# Allegro board RV1106G_COREDLOC_SL_V12_20220907LXF.brd (continued)
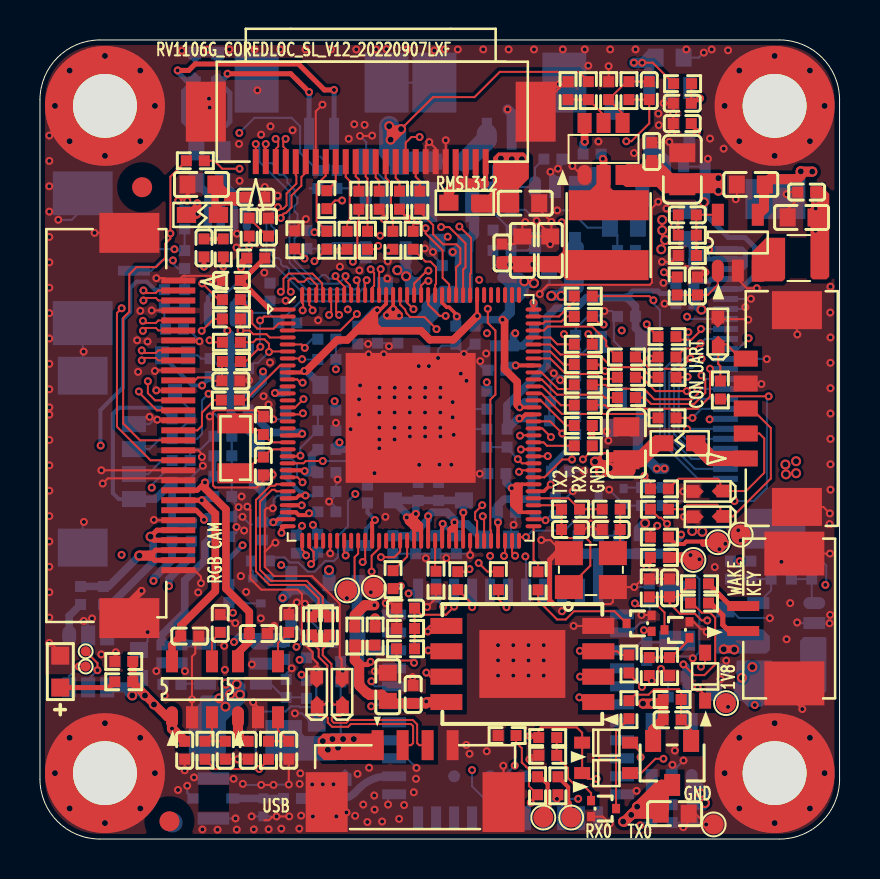
[diagram p0: board, top side]
## Routing (per net, layer and track width the routed paths; a pad name or vN(x,y) marks a point on that pad's centre or on a via; arc(x,y) is an arc through that point) (continued)
VBAT_DET_HI3861L: length 5.1
  TOP w0.102: v1(20.72,11.63) 20.31,11.23 19.07,11.23 C8206.1 R8214.1 R8215.2
  BOTTOM w0.102: U6000.14 v1(20.72,11.63)
VCC1V2_DVDD: length 13.2
  TOP w0.254: v1(8.26,17.85) 7.86,17.46 J4700.22
  TOP w0.381: U4701.5 9.91,9.32 10.47,9.89 C4711.1 10.47,11.37 9.3,12.54 9.3,16.51 8.26,17.55 v1(8.26,17.85)
  BOTTOM w0.254: v1(8.26,17.85) 8.38,17.85 C4701.1 C4700.1
VCC1V8_CODEC: length 4.5
  TOP w0.178: U1000.31 11.89,16.01 11.74,15.86 v1(11.67,15.86)
  BOTTOM w0.178: 11.62,15.91 v1(11.67,15.86)
  BOTTOM w0.381: C1012.1 11.86,15.86 v1(11.67,15.86) 11.14,15.86 C1013.1 11.13,15.87 11.13,17.36 10.85,17.64 FB1000.2
VCC1V8_DOVDD: length 11.1
  TOP w0.254: J4700.23 v1(8.09,16.96)
  TOP w0.381: v1(8.09,16.96) 8.77,16.28 8.77,12.4 7.04,10.68 C4716.1 6.6,9.72 U4702.5
  BOTTOM w0.254: C4702.1 8.61,17.06 8.29,17.06 8.19,16.96 v1(8.09,16.96)
VCC1V8_MICBIAS: length 22.8
  TOP w0.203: U1000.32 12.24,15.66 12.07,15.49 12.07,15.34 v1(12.08,15.33)
  L3_POW w0.203: v1(3.04,19.7) 3.08,19.74 8.34,19.74 9.9,18.18 9.9,17.98 11.01,16.87 11.01,15.67 11.35,15.33 v1(12.08,15.33)
  BOTTOM w0.203: v1(3.04,19.7) 3.02,19.71 3.02,21.47 4.15,22.6 4.15,26 4.51,26.36 4.51,27.58 4.84,27.9 5.34,27.9 5.74,27.5 R7002.1
VCC1V8_STB: length 57.4
  TOP w0.102: v1(32.19,8.74) 32.72,8.21 33.24,8.21 33.78,8.74 33.78,11.08 33.53,11.33 33.11,11.33 32.63,11.81 R8208.1
  L4_SIG w0.381: v1(6.45,12.66) 8.29,10.83 8.29,6.66 8.92,6.02 11.93,6.02 12.2,5.76 16.6,5.76 17.08,6.23 31.69,6.23 32.19,6.73 v1(32.19,8.74)
  L5_GND w0.381: v1(32.19,8.74) 32.19,8.43 32.46,8.16 33.34,8.16 33.61,8.43 33.61,9.81 33.93,10.14 33.93,12.47 32.97,13.44 32.28,13.44 30.27,15.45 v2(30.27,15.81)
  BOTTOM w0.381: U2601.5 32.33,6.03 C2608.2 C2607.1 32.33,8.6 v1(32.19,8.74) ; v1(6.45,12.66) 6.45,13.02 7.57,14.14 R8201.2
  BOTTOM w0.508: v2(30.27,15.81) 29.97,15.51 R6000.1
VCC2V8_AVDD: length 11.8
  TOP w0.254: v1(8.2,15.98) 8.2,16.07 7.81,16.46 J4700.24
  BOTTOM w0.381: 7.17,9.78 C4714.1 C4713.1 6.1,10.22 7.24,11.36 7.24,12.94 8.26,13.96 8.26,14.8 C4704.1 8.59,15.55 8.69,15.65 C4703.1 8.35,16.13 v1(8.2,15.98) ; 7.17,9.78 7.24,9.85 ; 7.17,9.78 U4703.5
VCC3V3_STB: length 86.1
  L3_POW w0.102: v1(35.76,6.71) 35.76,6.42 35.06,5.72 33.47,5.72 32.75,5 32.75,3.59 31.05,1.89 31.05,1.04 30.63,0.62 30.1,0.62 v1(30.03,0.69) ; v1(35,13.91) 35.64,13.28 v2(35.64,8.61)
  L3_POW w0.381: v1(4.08,14.23) 5.39,12.92 v1(5.68,12.92)
  L4_SIG w0.381: v2(14.46,13.46) 14.22,13.23 11.57,13.23 11.1,13.69 6.45,13.69 v1(5.68,12.92) 5.68,12.01 6.56,11.13 6.56,8.14 6.88,7.81 6.88,6.52 7.98,5.42 11.78,5.42 13.23,3.96 15.54,3.96 17.25,5.66 31.96,5.66 33.45,7.15 34.24,7.15 35.32,8.23 35.32,8.27 ; 35.32,8.27 35.64,8.59 v2(35.64,8.61) ; 35.32,8.27 v2(35.12,8.07) ; v1(11.16,23.4) 10.99,23.58 8.13,23.58 7.07,22.51 7.07,21.02 4.08,18.03 v1(4.08,14.23)
  BOTTOM w0.102: R2602.1 v1(35,13.91) C2600.1 ; R2609.1 30.22,0.82 30.08,0.69 v1(30.03,0.69)
  BOTTOM w0.381: v1(11.16,23.4) 11.16,22.89 10.64,22.37 R1103.2 ; R8216.2 6.6,13.96 5.68,13.04 v1(5.68,12.92)
  BOTTOM w0.508: R6002.1 v2(14.46,13.46)
VCC3V3_WL: length 6.8
  BOTTOM w0.381: 15.94,9.4 C6003.1 C6002.1 ; 15.94,9.4 15.94,9.96 C6001.1 15.88,11.39 R6001.2 R6002.2 ; 15.94,9.4 15.99,9.44 U6000.9
VCC3V8_SYS: length 50.3
  TOP w0.102: 26.2,29.44 26.2,30.78 26.11,30.87 v1(26.1,30.87) ; R2507.1 C2507.1 30.48,35.82 29.58,34.93 v1(29.33,34.93) ; R2607.1 30.85,6.99 v2(30.64,6.78) ; 34.72,9.5 34.69,9.53 34.23,9.53 v2(34.21,9.5)
  TOP w0.381: v2(34.21,9.5) 34.72,9.5 v2(34.73,9.49)
  TOP w0.508: v2(30.17,6.78) v2(30.64,6.78) 30.97,6.78 R2607.1 C2604.1 30.67,5.47 Q2600.2
  L3_POW w0.381: v1(12.14,12.07) 12.14,11.69 13.86,9.97 14.6,9.23 14.6,7.37 16.21,5.77 23.14,5.77 24.32,4.59 27.97,4.59 v2(30.17,6.78)
  L4_SIG w0.102: v2(32.63,15.42) 32.67,15.38 v2(33.13,15.38) ; v1(29.33,34.93) 29.2,34.93 28.82,34.55 28.82,30.98 28.72,30.87 v1(26.1,30.87)
  BOTTOM w0.102: v1(39.29,12.72) 39.33,12.77 39.33,13.7 39.12,13.91 R2601.1 ; v2(30.64,6.78) v2(30.17,6.78)
  BOTTOM w0.508: 33.18,1.72 v2(33.26,1.8) ; 33.18,1.72 33.18,2.16 ; 33.18,1.72 C2606.2 32.64,2.27 ; 33.18,2.16 33.18,2.38 32.64,2.92 ; 33.18,2.16 v2(33.05,2.29) 33.03,2.27 32.64,2.27 ; v1(12.14,12.07) 12.56,12.49 13.45,12.49 14.46,11.48 R6001.1 ; 32.64,2.27 32.64,2.92 ; 32.64,2.92 U2601.1
  vias: v2(23.52,28.75) v2(24.68,28.76)
VCC5V0_PA: length 6.7
  TOP w0.381: 10.04,32.13 9.81,31.9 9.17,31.9 9.09,31.99
  TOP w0.508: C7006.1 9.62,32.13 ; v2(9.07,32) 9.09,31.99 9.57,31.99 ; 9.62,32.13 9.34,32.13 ; 9.62,32.13 9.62,31.98 ; 9.34,32.13 9.34,32.21 C7003.1 ; 9.34,32.13 8.83,32.64 8.83,31.34 FB7000.2
  BOTTOM w0.381: U7000.6 9.07,31.13 v2(9.07,32)
VCC5V0_USB: length 7.5
  L3_POW w0.102: v1(12.99,8.97) 12.99,8.82 13.47,8.33 13.47,6.41 14.63,5.25 v2(14.63,5)
  BOTTOM w0.102: v1(12.99,8.97) 13.09,9.07 R2611.2 ; 15.04,5.84 15.04,5.14 ; 15.14,4.34 v2(14.91,4.57) 14.94,4.57 15.09,4.42 15.11,4.45 15.65,4.45 15.67,4.42 15.6,4.34 ED2505.1 15.14,4.34
  vias: v2(14.15,4.9) v2(14.4,4.47) v2(15.16,5) v2(15.7,5)
VCC_1V8: length 126.2
  TOP w0.178: v1(11.76,22.33) 11.78,22.31 U1000.13 ; v1(20.85,26.16) 20.85,26.24 20.47,26.62 20.35,26.62 20.12,26.85 U1000.108 ; U1000.70 25.21,17.41 v1(25.55,17.75)
  TOP w0.203: v1(20.14,15.78) 20.12,15.75 U1000.53
  TOP w0.381: R1304.2 10.06,28.8 v1(10.06,28.6)
  TOP w0.508: R1201.1 v1(16.76,11.05)
  L3_POW w0.381: v1(29.1,25.46) 29.1,25.21 29.26,25.06 30.4,25.06 32.06,26.71 32.88,26.71 v2(33.09,26.5) ; v1(22.36,25.32) 21.95,25.32 21.11,26.16 v1(20.85,26.16)
  L3_POW w0.508: v2(33.09,26.5) 33.09,26.59 32.5,27.18 32.5,31.17 v2(33.21,31.88)
  L4_SIG w0.381: v1(26.21,25.27) 26.7,24.79 28.43,24.79 v1(29.1,25.46) ; v1(10.06,28.6) 9.76,28.3 9.76,26.67 ; 14.8,23.26 v1(14.8,23.51) ; 14.8,23.26 14.8,21.98 v1(14.74,21.92) 14.2,21.38 14.2,20.64 v1(14.98,19.86) ; 14.8,23.26 15.18,23.64 ; v1(14.8,23.51) 14.92,23.64 15.18,23.64 ; v1(14.8,23.51) 14.8,24.01 13.56,25.25 12.24,25.25 ; 12.24,25.25 12.24,22.81 v1(11.76,22.33) ; 12.24,25.25 12.24,25.8 11.36,26.67 9.76,26.67 ; v1(20.85,26.16) 20.85,25.12 20.4,24.66 19.14,24.66 18.12,23.64 15.18,23.64 ; v1(16.76,11.05) 17.58,11.05 17.98,11.45 17.98,12.03 17.51,12.5 17.51,13.15 18.98,14.62 ; 25.55,16.86 27.73,14.68 33.42,14.68 34.09,15.35 34.09,25.51 v2(33.09,26.5) ; 25.55,16.86 25.34,17.07 24.88,17.07 ; 25.55,16.86 v1(25.55,17.75) 24.88,17.07 ; 24.88,17.07 23.31,17.07 22.72,17.66 18.53,17.66 17.8,16.93 17.8,15.8 18.98,14.62 ; 18.98,14.62 v1(20.14,15.78) ; 9.76,26.67 9.37,26.29 v1(9.37,25.45) ; v1(22.36,25.32) v1(23.77,25.32)
  L5_GND w0.381: v1(26.21,25.27) 23.82,25.27 v1(23.77,25.32)
  BOTTOM w0.102: v1(14.8,23.51) R1305.1 R1306.1 ; R1206.1 14.8,21.86 v1(14.74,21.92)
  BOTTOM w0.203: C1022.1 20.74,15.18 v1(20.14,15.78) 20.14,15.51 C1021.1
  BOTTOM w0.254: 32.71,26.69 C5003.1 33.43,27.52 34.27,27.52 J5000.20 35.07,27.53 35.31,27.78 35.31,27.78 35.75,28.22 35.75,29.63 35.27,30.11 34.44,30.11 33.27,31.28 33.27,31.82 v2(33.21,31.88) ; v1(25.55,17.75) 25.58,17.78 C1103.1 25.58,18.7 26.8,19.91 R2010.1
  BOTTOM w0.381: U2000.5 30.48,34.47 C2001.1 ; C1300.1 20.85,25.72 v1(20.85,26.16) ; C1102.1 12.16,22.33 v1(11.76,22.33) ; FB1100.2 24.71,25.25 24.16,24.69 C1201.1 23.69,25.24 v1(23.77,25.32) ; v1(14.98,19.86) 14.8,19.67 R1001.2 15.69,19.51 R1205.2 ; v1(9.37,25.45) 9.37,25.43 9.53,25.27 R1303.1 R1302.1 9.53,21.34 10.85,20.02 FB1000.1
  BOTTOM w0.508: C5003.1 32.8,26.8 v2(33.09,26.5) ; U2000.5 31.3,33.97 C2001.1 31.3,33.27 31.88,32.7 C2002.1 33.27,31.94 v2(33.21,31.88)
VCC_3V3: length 65.9
  TOP w0.178: v1(13.28,17.19) 12.95,17.19 12.81,17.06 U1000.28 ; v1(22.91,15.85) 22.91,15.66 22.92,15.65 U1000.61
  TOP w0.203: v1(23.98,21.05) 24.09,21.05 24.29,21.26 U1000.81 ; U1000.88 v1(23.8,23.71)
  TOP w0.508: v1(16.73,11.7) 16.25,11.7 15.75,11.2 R1204.1
  L3_POW w0.381: v1(23.98,21.05) 23.77,21.05 23.39,21.43 23.39,23.3 v1(23.8,23.71)
  L4_SIG w0.381: v1(13.28,17.19) 15.01,18.92 17.69,18.92 18.38,19.62 21.35,19.62 22.64,20.91 23.84,20.91 v1(23.98,21.05)
  L5_GND w0.381: v1(16.73,11.7) 16.07,11.7 15.55,11.18 14.77,11.18 13.89,12.05 13.89,12.7 12.55,14.04 12.55,16.81 12.93,17.19 v1(13.28,17.19)
  BOTTOM w0.102: 24.45,20.58 24.45,17.4 24.59,17.27 ; 22.92,16.71 22.92,16.4 22.88,16.35 ; C1110.1 24.11,20.93 v1(23.98,21.05) 23.45,20.52 R2014.1
  BOTTOM w0.178: C1003.1 13.7,17.19 v1(13.28,17.19)
  BOTTOM w0.203: v1(13.28,17.19) 13.1,17.37 13,17.37 12.32,18.06 R1010.1
  BOTTOM w0.254: 29.34,27.12 29.65,27.43 30.92,27.43 31.04,27.31 32.51,27.31 32.71,27.5 C5002.1 32.81,27.92 33.48,27.92 33.59,28.03 J5000.21
  BOTTOM w0.381: v1(22.91,15.85) 22.91,16.32 22.88,16.35 C1109.1 22.88,16.67 23.22,17.01 24.69,17.01 R1102.1 24.59,17.27 C1110.1 24.46,21.05 v1(23.98,21.05) 23.91,21.05 R2014.1 23.36,20.53 23.36,21.71 25.37,23.72 25.37,26.14 25.81,26.57 26.81,26.57 27.34,27.1 C2017.1 29.32,27.1 29.34,27.12 29.79,26.67 C2016.1 29.79,25.58 30.06,25.31 U2003.5 ; v1(23.8,23.71) 23.55,23.71 C1301.1
VCC_DDR: length 22.8
  TOP w0.102: v1(31.72,30.75) 31.72,30.45 R2005.1 C2009.1
  TOP w0.178: U1000.56 21.17,16.33 v1(21.18,16.34)
  TOP w0.203: 18.62,15.61 18.89,15.88 18.92,15.88 ; 18.62,15.61 18.42,15.8 ; 18.62,15.61 18.72,15.51 ; 18.96,15.49 18.74,15.49 18.72,15.51 ; 18.96,15.49 v1(18.35,16.1) 18.35,15.88 18.42,15.8 ; 18.96,15.49 19.07,15.49 ; U1000.49 18.72,15.51 ; 18.72,15.51 18.95,15.74 19.07,15.74 ; 18.42,15.8 18.59,15.8 18.79,16 18.8,16 ; 18.8,16 18.92,15.88 ; 18.8,16 v1(18.8,16.28) ; 18.92,15.88 19.07,15.74 ; 19.07,15.74 19.07,15.49 ; 19.07,15.49 U1000.50
  TOP w0.381: v1(18.8,16.28) 18.62,16.1 v1(18.35,16.1)
  L4_SIG w0.102: v1(18.8,16.28) 18.62,16.1 v1(18.35,16.1) ; v1(31.72,30.75) 31.72,30.58 31.87,30.43 38.78,30.43 v1(38.8,30.45)
  BOTTOM w0.178: 21.2,16.95 C1008.1
  BOTTOM w0.203: 17.66,16.95 C1009.1
  BOTTOM w0.381: v1(21.18,16.34) 21.18,16.92 21.2,16.95 C1010.1 C1011.1 ; v1(18.35,16.1) 18.35,16.26 17.66,16.95 C1011.1 ; C1011.1 18.8,16.83 v1(18.8,16.28)
  vias: v1(38.8,31.96) v1(38.81,31.57)
VCC_SYS_S0: length 83.3
  TOP w0.102: 29.28,0.92 29.22,0.92 v2(29.17,0.88) ; 36.53,33.03 36.59,33.1 37.55,33.1 37.68,33.23 37.87,33.23 v2(38.06,33.42) ; v1(30.12,38.86) 30.65,38.86 R2001.1 ; v2(25.58,27.19) v2(26.08,27.19) ; v1(31.22,28.37) 31.45,28.14 R2006.1 ; R2606.2 4.83,7.87 U4702.1 ; 30.22,1.27 v2(29.87,1.62)
  TOP w0.381: R2605.2 R2606.2 4.64,7.79 v2(5.25,7.18) v2(5.7,6.73) 6.34,6.1 U4702.1 ; 7.87,31.68 v1(7.87,31.29) 7.82,31.24 7.44,31.24 ; 7.87,31.68 7.44,31.24 ; 7.87,31.68 v1(7.87,31.83) ; 7.44,31.24 FB7000.1
  TOP w0.508: 31.21,2.3 31.21,1.43 C2605.1 ; 31.21,2.3 Q2600.3 31.62,2.71 31.09,2.71 ; 31.21,2.3 31.05,2.14 ; 29.64,1.27 29.87,1.51 v2(29.87,1.62) 29.91,1.62 ; 29.64,1.27 C2605.1 ; 29.64,1.27 v2(29.58,1.21) 29.24,0.88 v2(29.17,0.88) ; 30.4,1.62 30.4,1.67 31.09,2.36 ; 30.4,1.62 29.91,1.62 ; 30.4,1.62 30.7,1.62 ; U2002.4 36.22,31.56 36.22,32.73 C2010.1 36.53,33.03 37.89,33.03 38.06,33.21 v2(38.06,33.42) 38.07,33.41 v2(38.64,33.41) ; 31.09,2.36 31.09,2.01 30.7,1.62 ; 31.09,2.36 31.09,2.71 ; U4701.1 9.91,5.29 9.95,5.24 v1(9.95,4.91) 10.4,4.91 C4708.2 ; 31.09,2.71 31.05,2.67 ; 30.7,1.62 C2605.1 ; C2605.1 31.05,2.14 ; 31.05,2.67 31.05,2.14 ; 31.05,2.67 30.96,2.67 29.91,1.62 ; U4702.1 v1(6.6,5.53) C4715.1
  BOTTOM w0.102: v2(23.06,34.06) 22.66,33.67 R2003.1 ; v2(29.87,1.62) 29.87,1.58 29.58,1.28 v2(29.58,1.21) ; R2011.1 13.01,34.35 13.01,35.68 12.59,36.1 10.73,36.1 v1(9.97,35.35) ; 18.14,28.48 18.35,28.69 18.35,29.31 U2004.4 ; v1(33.47,29.51) 33.47,29.06 33.24,28.83 C5001.1 ; 18.35,28.37 18.25,28.48 ; 25.71,27.22 26.86,28.37 C2005.1 ; 29.91,19.69 30.04,19.56 30.13,19.56 31.14,18.54
  BOTTOM w0.254: J5000.22 35.11,28.53 35.29,28.71 35.29,29.02 ; 35.29,29.02 35.28,29.03 J5000.23 32.91,29.03 ; 35.29,29.02 35.29,29.36 35.11,29.54 34.29,29.54 J5000.24 33.49,29.53 v1(33.47,29.51)
  BOTTOM w0.381: v1(9.71,9.86) 9.97,10.12 11.92,10.12 12.15,9.9 C4712.1 12.12,9.78 ; 12.12,9.78 12.25,9.78 12.32,9.85 ; 12.12,9.78 U4703.1 ; v1(33.47,29.51) 33.39,29.51 C5001.1 ; v2(23.06,34.06) 23.09,34.03 v2(23.6,34.03) v2(24.11,34.03)
  BOTTOM w0.508: v2(26.08,27.19) 26.06,27.22 25.63,27.22 25.6,27.19 v2(25.58,27.19) ; v2(26.08,27.19) 26.08,27.25 26.48,27.64 26.48,28.06 ; v2(26.08,27.19) 26.54,27.19 26.94,27.59 26.94,28.37 ; v2(4.62,7.19) 4.48,7.32 4.48,7.59 ; U2003.1 30.06,20.73 C2015.1 29.91,19.49 v1(30.86,18.54) v1(31.24,18.54) ; U2000.1 30.48,38.8 ; 30.48,38.8 30.48,39.19 ; 30.48,38.8 C2000.1 30.56,39.12 30.48,39.19 ; C2005.1 26.94,28.37 ; C2005.1 26.76,28.55 U2001.4 ; C2005.1 26.48,28.06 ; 26.94,28.37 26.94,29.66 U2001.4 ; U2001.4 26.48,29.55 26.48,28.06 ; C2018.1 18.66,27.83 v2(18.32,28.17) 18.32,28.34 18.35,28.37 18.29,28.43 ; 18.29,28.43 18.25,28.48 v2(17.88,28.48) ; 18.29,28.43 U2004.4 ; 30.48,39.19 30.15,38.86 v1(30.12,38.86) v1(29.71,38.86) ; 4.95,7.48 v2(5.25,7.18) ; 4.95,7.48 C4706.1 4.48,7.59 ; 4.95,7.48 4.84,7.59 4.48,7.59 ; 4.48,7.59 U4700.4 ; C5001.1 32.71,29.71 C5000.1
VCC_SYSIN: length 56.2
  TOP w0.102: 18.04,35.51 17.99,35.47 17.98,35.47 17.54,35.03 ; R2508.1 26.94,38.4 23,38.4 21.74,37.14 19.66,37.14 v2(18.06,35.54) ; R8215.1 17.84,9.09 18,8.94 18.6,8.94 v1(18.71,8.82) ; 31.87,32.7 30.67,33.9 ; 28.03,18.41 27.77,18.67 v2(27.77,18.89) ; C2502.1 28.37,18.99 v2(28.25,19.11) ; 33.93,33.08 33.56,32.7 32.5,32.7
  TOP w0.254: v2(33.94,32.46) 31.22,32.46 30.78,32.9
  TOP w0.381: 17.54,35.62 17.62,35.54 v2(18.06,35.54) 18.04,35.51 18.04,35.45 17.7,35.12 17.64,35.12 17.54,35.02 ; 17.54,35.62 v2(17.47,35.69) ; 17.54,35.62 17.54,35.02 ; 17.54,35.02 v2(17.54,35.01)
  TOP w0.508: U7001.3 29.14,33.14 29.39,32.9 31.19,32.9 ; U7001.3 29.88,33.24 ; U7001.3 29.42,33.52 30.16,33.52 ; 33.94,32.76 v2(33.94,33.08) 33.93,33.08 32.87,33.08 ; 33.94,32.76 31.33,32.76 ; 33.94,32.76 v2(33.94,32.46) ; 31.33,32.76 31.38,32.7 31.9,32.7 ; 31.33,32.76 31.19,32.9 ; 31.01,33.08 31.19,32.9 ; 31.01,33.08 32.87,33.08 ; 31.01,33.08 30.84,33.24 ; 29.88,33.24 30.84,33.24 ; 29.88,33.24 30.16,33.52 ; 30.84,33.24 30.67,33.41 30.67,33.9 ; 30.67,33.9 30.7,33.9 31.9,32.7 ; 30.67,33.9 C2506.1 30.16,33.52 ; 32.87,33.08 32.5,32.7 C2505.1 31.9,32.7 ; 28.73,18.38 28.91,18.56 ; 28.73,18.38 29.48,18.38 29.53,18.44 29.53,18.79 C2502.1 ; 28.73,18.38 v2(28.03,18.38) 28.03,18.63 v2(27.77,18.89) 28.02,18.89 v2(28.25,19.11) 29.21,19.11 C2502.1 ; 28.91,18.56 C2502.1 ; 28.91,18.56 v2(28.51,18.56) 28.42,18.65 28.09,18.65
  TOP w0.762: C2502.1 30.03,18.99 30.85,19.81 FB2501.1
  BOTTOM w0.102: v2(18.06,35.54) 17.62,35.54 v2(17.47,35.69) ; v2(33.94,33.08) v2(33.94,32.46)
  BOTTOM w0.508: C2520.1 18.06,34 v2(18.06,35.54) ; v2(17.54,35.01) 17.54,34.34
  BOTTOM w1.016: FB2510.1 C2520.1 17.47,34.41 v2(17.47,35.69)
  vias: v2(8.97,7.04) v2(9.29,7.78) v2(9.28,6.63) v2(9.51,7.25) v2(9.84,7.75) v2(10,7.23) v2(37.29,18.75) v2(37.32,18.26) v2(37.83,18.91) v2(37.83,18.31)
VCCIO_FLASH: length 32.5
  TOP w0.102: 19.38,6.86 19.35,6.86 v1(19.32,6.89) ; R1202.1 29.46,8.26 v1(30.12,7.61)
  TOP w0.203: U1000.43 16.62,15.83 v1(16.76,15.97)
  TOP w0.254: 15.97,8.74 16.4,8.74 v1(16.54,8.87)
  TOP w0.508: U1201.8 19.38,6.86 19.31,6.79 C1203.1 17.53,6.79 C1202.1 17.09,7.22 16.48,7.22 16.38,7.32 16.34,7.32 16,7.66 16,7.7 15.97,7.73 15.97,8.74 15.75,8.96 R1204.2 R1201.2
  L3_POW w0.102: v1(30.12,7.61) 30.06,7.61 28.83,6.38 19.82,6.38 v1(19.32,6.89)
  L4_SIG w0.254: v1(16.54,8.87) 15.86,9.55 15.86,12.87 15.69,13.05 15.69,14.9 v1(16.76,15.97)
  BOTTOM w0.203: R1203.1 16.3,15.51 v1(16.76,15.97) 16.38,16.34 C1200.1
VCCIO_WL: length 62.2
  L3_POW w0.102: v1(34.42,6.61) 34.42,8.19 33.78,8.84 33.78,9.68 33.79,9.69 33.79,12.77 33.33,13.23 33.33,13.98 33.31,14.01 33.31,14.13 33.12,14.32 33,14.32 v1(32.07,15.24)
  L4_SIG w0.254: v1(8.11,22.7) 9.62,22.7 9.88,22.45 9.88,20.76 11.05,19.58 ; 11.05,19.58 10.92,19.46 10.92,15.49 v1(10.13,14.71) ; 11.05,19.58 13.39,19.58 13.49,19.48 14.72,19.48 14.82,19.38 15.38,19.38 16.5,20.5 16.5,22.83 16.75,23.08 20.48,23.08 21.37,22.2 24.45,22.2 24.7,21.94 24.7,19.1 25.15,18.64 26.28,18.64 29.69,15.24 v1(32.07,15.24)
  BOTTOM w0.102: 31.17,14.28 31.19,14.3 31.28,14.3
  BOTTOM w0.203: R8217.1 8.51,23.1 v1(8.11,22.7) 7.62,22.7 Q8200.1
  BOTTOM w0.254: v1(10.13,14.71) 9.45,14.02 R8221.1 ; v1(32.07,15.24) 32.07,15.1 31.26,14.28 31.17,14.28
  BOTTOM w0.508: C6004.1 27.92,14.26 U6000.22 ; C6004.1 C6005.1 ; C6004.1 C8207.1 R6000.2 31.17,14.28
VDD_0V9: length 60.2
  TOP w0.102: v2(31.12,30.99) 31.12,30.48 v2(31.13,30.47) 31.13,30.13 v2(31.27,29.98)
  TOP w0.178: 20.55,15.59 20.47,15.51 ; 20.55,15.59 20.55,15.58 20.82,15.58 ; 20.55,15.59 20.74,15.78 v1(20.74,15.85) 20.82,15.77 20.82,15.58 ; 20.47,15.51 U1000.54 ; 20.47,15.51 20.54,15.43 20.82,15.43 ; 23.92,17.76 24.13,17.76 ; 23.92,17.76 23.88,17.72 23.88,16.55 ; 23.92,17.76 23.8,17.76 23.77,17.73 ; 24.13,17.76 24.06,17.69 ; 24.13,17.76 U1000.71 ; U1000.116 17.32,26.79 17,26.48 v1(16.87,26.48) ; 24.07,16.36 U1000.67 ; 24.07,16.36 23.97,16.36 23.88,16.44 ; 24.07,16.36 24.06,16.37 ; 23.77,16.55 23.88,16.44 ; 23.77,16.55 23.69,16.63 ; 23.77,16.55 23.77,17.73 ; 23.88,16.44 23.88,16.55 ; 23.69,16.63 23.69,17.65 ; 23.69,16.63 23.6,16.72 v1(23.6,17.56) 23.69,17.65 ; 23.69,17.65 23.77,17.73 ; 23.88,16.55 23.98,16.45 ; U1000.103 21.87,26.18 v1(21.87,26.18) ; U1000.82 24,21.61 v1(24,21.61) ; 20.82,15.58 20.82,15.43 ; U1000.55 20.82,15.43 ; 24.06,17.69 23.98,17.61 23.98,16.45 ; 24.06,17.69 24.06,16.37 ; 24.06,16.37 23.98,16.45
  TOP w0.203: v1(13.23,23.43) 13.16,23.36 U1000.10 ; U1000.51 v1(19.42,16.16)
  TOP w0.381: 16.44,25.44 16.44,26.05 ; 16.44,25.44 17,25.44 ; 16.44,25.44 15.83,25.44 ; 16.44,26.05 16.73,26.34 ; 16.44,26.05 15.83,25.44 ; 17,25.44 19.06,25.44 19.51,24.99 20.68,24.99 v1(21.87,26.18) ; 17,25.44 16.73,25.71 16.73,26.34 ; v1(13.23,23.43) 13.32,23.43 14.87,24.98 15.37,24.98 15.83,25.44 ; 16.73,26.34 v1(16.87,26.48) ; v1(24,21.61) 23.88,21.73 23.88,22.89 23.24,23.52 23.24,25.89 v1(23.14,25.99)
  L4_SIG w0.102: v2(31.08,29.52) 31.08,29.56 31.17,29.65 31.17,29.88 v2(31.27,29.98)
  BOTTOM w0.102: C1015.1 22.16,15.04 21.5,15.7 ; R2004.1 C2006.1 22.66,28.85 23.19,28.32 23.19,28.18 23.12,28.11
  BOTTOM w0.178: C1016.1 23.27,18.2 23.52,17.59 v1(23.6,17.56)
  BOTTOM w0.305: C1019.1 15.93,25.68 16.72,26.48 v1(16.87,26.48)
  BOTTOM w0.381: v1(23.14,25.99) 22.06,25.99 v1(21.87,26.18) 21.77,26.08 C1020.1 ; C1014.1 13.33,23.43 v1(13.23,23.43) ; v1(23.6,17.56) 23.31,17.85 C1016.1 ; C1108.1 C1017.1 18.8,15.38 19.42,16 v1(19.42,16.16) 19.62,16.36 20.36,16.36 20.74,15.98 v1(20.74,15.85) 20.83,15.77 21.38,15.77 C1015.1 ; v1(24,21.61) 24.28,21.89 C1018.1
  BOTTOM w0.508: 23.19,28.11 23.41,28.11 23.42,28.09 23.98,28.09 24.13,27.95 24.2,27.95 v2(24.23,27.92) 24.18,27.87 ; 23.19,28.11 23.12,28.11 ; 23.19,28.11 23.51,27.79 23.51,27.62 ; 23.51,27.15 23.94,27.15 24.18,27.39 24.18,27.87 ; 23.51,27.15 24.19,27.83 v2(24.71,27.83) ; 23.51,27.15 23.51,26.36 v1(23.14,25.99) ; 23.51,27.15 23.51,27.62 ; 23.51,27.62 23.63,27.74 24.05,27.74 24.18,27.87
VDD_ARM: length 37.4
  TOP w0.178: U1000.115 17.67,26.53 v1(17.67,26.53) ; v1(17.36,26.22) 17.94,26.22 v1(17.96,26.2)
  TOP w0.381: 17.38,26.2 v1(17.36,26.22) 17.66,26.53 v1(17.67,26.53) 17.96,26.23 v1(17.96,26.2) 17.38,26.2
  L4_SIG w0.102: v1(13.73,30.37) 14.01,30.66 17.57,30.66 18.31,29.92 19.99,29.92 20.52,29.39 v1(20.65,29.39)
  BOTTOM w0.102: C2019.1 13.65,30.46 v1(13.73,30.37) 14.29,30.37 R2012.1 ; C1006.1 17.42,26.25 17.91,26.25 17.94,26.22
  BOTTOM w0.178: v1(17.36,26.22) 17.66,26.53 v1(17.67,26.53)
  BOTTOM w0.381: v1(17.96,26.2) 17.94,26.22 v1(17.36,26.22) 16.89,25.76 C1006.1 ; C1007.1 17.91,26.01 ; 17.91,26.01 17.91,26.29 v1(17.67,26.53) 17.55,26.41 17.55,25.72 ; 17.91,26.01 17.97,25.95 18.95,25.95 19.18,25.72
  BOTTOM w0.508: v1(20.65,29.39) 20.78,29.39 21.36,29.97 ; 19.8,27.1 20.14,27.44 21.02,27.44 ; 19.8,27.1 19.64,26.94 ; 19.8,27.1 20.09,27.1 ; 21.02,27.44 21.02,27.12 21.04,27.1 ; 21.02,27.44 C2021.1 21.02,29.22 ; 19.64,26.94 19.35,26.65 19.35,26.35 ; 19.64,26.94 19.68,26.9 19.68,26.24 19.35,25.9 ; 19.35,25.9 19.35,25.89 19.18,25.72 C1005.1 17.91,25.72 C1007.1 C1006.1 ; 19.35,25.9 19.35,26.3 ; 19.35,26.35 19.35,26.3 ; 19.35,26.35 20.09,27.1 ; 19.35,26.3 19.3,26.3 18.95,25.95 ; 21.04,27.1 21.39,27.1 21.39,29.99 21.36,29.97 ; 21.04,27.1 20.09,27.1 ; 21.36,29.97 21.36,29.22 21.02,29.22 ; L2002.2 21.72,31.78 21.72,30.29 C2020.1 21.27,29.47 21.02,29.22
VDD_PIR: length 13.7
  BOTTOM w0.203: R8218.1 6.05,21.59 3.95,21.59 3.64,21.28 3.64,17.31 3.94,17.02 J8200.1
  BOTTOM w0.381: J8200.1 5.77,17.02 C8201.1 C8200.1 6.61,15.83 R8216.1 R8201.1
VIN/VBAT: length 2.8
  TOP w0.762: J2501.1 33.57,19.05 FB2501.2
AVS_ARM: length 2.7
  TOP w0.102: U1000.74 24.12,18.81 v1(23.91,19.02)
  BOTTOM w0.102: v1(23.91,19.02) 23.37,19.55 R2014.2 R2015.1
CAM_FSYNC: length 18.1
  TOP w0.102: J4700.17 5,19.96 4.16,20.8 4.16,26.09 4.47,26.4 4.47,28.27 4.83,28.63 5.81,28.63 6.27,29.09 6.27,29.8 6.52,30.06 v1(6.52,30.32) 6.52,33.16 R4705.2
CAM_PWREN: length 30.7
  TOP w0.102: R4712.1 8.75,3.5 v1(10.97,3.5) 11.43,3.97 R4708.2 ; v1(23.96,18.38) 24.04,18.46 U1000.73
  L4_SIG w0.102: v1(23.96,18.38) 23.41,18.94 22.01,18.94 21.14,18.07 18.29,18.07 14.96,14.73 14.96,10.31 13.15,8.51 13.15,8.3 v1(13.08,8.23)
  BOTTOM w0.102: v1(10.97,3.5) 10.79,3.68 10.79,6.01 11.17,6.38 12.29,6.38 12.55,6.64 12.97,6.64 13.01,6.6 13.72,6.6 13.82,6.7 13.82,7.84 13.72,7.94 R4711.1 13.34,8.13 13.23,8.23 v1(13.08,8.23)
CODEC_VCM: length 1.6
  TOP w0.203: U1000.30 12.8,16.36 12.95,16.21 13.37,16.21 v1(13.46,16.31)
  BOTTOM w0.254: C1002.1 13.83,16.31 v1(13.46,16.31)
DRAM_ZQ: length 1.5
  TOP w0.102: R1000.2 19.77,13.45 U1000.52
FSPI_CLK: length 6.1
  TOP w0.102: v1(18.05,12.67) 17.92,12.54 R1200.2 ; v1(19.42,9.44) 19.47,9.4 U1201.6
  L3_POW w0.102: v1(19.42,9.44) 19.83,9.85 19.83,10.78 19.58,11.03 18.64,11.03 18.05,11.62 v1(18.05,12.67)
FSPI_CS0N: length 19.4
  TOP w0.102: U1000.47 18.02,14.4 17.73,14.11 v1(17.06,14.11) ; U1201.1 27.21,6.86 v1(26.98,7.09)
  L3_POW w0.102: v1(17.06,14.11) 17.22,13.95 18.28,13.95 19.12,13.12 22.81,13.12 23.18,12.74 26.64,12.74 27.68,11.7 27.68,7.48 27.29,7.09 v1(26.98,7.09)
FSPI_D0: length 8.9
  TOP w0.102: U1201.5 19.5,10.67 19.4,10.57 v1(19.4,10.39) ; TP1200.1 15.74,12.82 15.74,14.11 15.92,14.28 U1000.41
  L3_POW w0.102: v1(15.35,12.06) 15.35,11.72 16.83,10.24 19.25,10.24 v1(19.4,10.39)
FSPI_D1: length 17.9
  TOP w0.102: U1201.2 v1(27.02,8.13) ; U1000.42 16.27,13.99 v1(16.14,13.87)
  L3_POW w0.102: v1(16.14,13.87) 16.77,13.87 17.05,13.59 18.29,13.59 18.99,12.88 22.63,12.88 23.01,12.5 26.43,12.5 27.39,11.53 27.39,8.29 27.23,8.13 v1(27.02,8.13)
FSPI_D2: length 17.7
  TOP w0.102: R1202.2 29.06,9.21 28.88,9.4 U1201.3 27.03,9.4 v1(27.01,9.42) ; U1000.44 16.97,14.56 16.59,14.18 v1(16.59,13.39)
  L3_POW w0.102: v1(27.01,9.42) 27.01,9.45 27.16,9.6 27.16,11.43 26.33,12.26 22.91,12.26 22.53,12.64 18.9,12.64 18.27,13.27 16.71,13.27 v1(16.59,13.39)
FSPI_D3: length 11.2
  TOP w0.102: U1000.39 15.22,14.27 v1(15.29,14.19) ; U1201.7 19.53,8.13 v1(19.33,8.33)
  L3_POW w0.102: v1(15.29,14.19) 15.29,12.93 14.82,12.46 14.82,11.87 16.7,9.98 18.19,9.98 19.33,8.85 v1(19.33,8.33)
  BOTTOM w0.102: R1203.2 15.4,14.3 v1(15.29,14.19)
HI3861L_GPIO10: length 2
  TOP w0.102: R6005.2 21.62,11.77 21.62,11.61 v1(21.62,11.61)
  BOTTOM w0.102: U6000.15 v1(21.62,11.61)
HI3861L_KEY_WAKE: length 23.9
  TOP w0.102: v1(33.38,10.94) 33.1,10.94 32.77,11.28 32.02,11.28 31.5,11.8 C8203.1 ; C8203.1 31.89,12.12 R8207.1 ; C8203.1 R8211.1
  L3_POW w0.102: v1(23.75,3.68) 23.88,3.55 30.09,3.55 30.49,3.95 30.49,4.87 32.47,6.85 32.47,7.91 32.57,8.01 33.36,8.01 33.47,8.11 33.47,9.31 32.89,9.89 32.89,10.67 33.14,10.92 33.36,10.92 v1(33.38,10.94)
  BOTTOM w0.102: U6000.39 23.42,3.35 v1(23.75,3.68)
HI3861L_PIR_DLINK_OUT: length 32.4
  L3_POW w0.102: v1(21.62,3.45) 19.68,5.38 16,5.38 14.22,7.16 14.22,9.08 13.48,9.82 11.77,11.54 11.77,11.54 11.38,11.92 7.59,11.92 6.87,12.64 6.87,16.31 v1(5.59,17.59)
  BOTTOM w0.102: v1(21.62,3.45) 21.62,2.64 22.52,1.74 U6000.40 ; R8220.1 8.03,19.51 7.72,19.51 7.51,19.3 R8202.2 7.51,18.89 7.01,18.39 6.26,18.39 5.59,17.73 v1(5.59,17.59)
HI3861L_PIR_INT: length 2.4
  TOP w0.102: R6050.1 24.92,13.74 24.69,13.97 U1000.65
HI3861L_PIR_SERIAL_IN: length 28.8
  L3_POW w0.102: v1(8.43,22.29) 8.6,22.45 9.96,22.45 11.3,21.11 11.3,20.85 11.52,20.63 11.78,20.63 11.97,20.44 11.97,19.71 12.8,18.87 13.41,18.87 14.27,18.02 14.27,17.68 14.38,17.57 14.38,17.36 14.47,17.27 14.62,17.27 14.84,17.05 14.84,16.74 14.35,16.25 14.35,14.79 14.07,14.51 14.07,11.61 15.8,9.89 15.8,7.41 v1(16.57,6.64)
  BOTTOM w0.102: v1(16.57,6.64) 16.57,6.67 16.62,6.62 16.8,6.62 16.92,6.74 U6000.6 ; R8204.2 7.87,20.04 8.11,20.27 8.11,21.96 v1(8.43,22.29) 8.97,22.82 8.97,23.65 8.57,24.05 R8217.2 8.06,24.05 7.89,24.22 Q8200.2
HI3861L_PWREN: length 17.6
  L4_SIG w0.102: v1(18.44,12.29) 18.47,12.27 18.47,11.18 17.53,10.24 17.53,8.15 16.92,7.54 12.67,7.54 11.1,9.12 11.1,10.21 9.98,11.33 v1(9.65,11.33)
  BOTTOM w0.102: v1(9.65,11.33) 9.45,11.53 R8221.2 10.24,11.84 10.29,11.8 Q8201.3 ; v1(18.44,12.29) 18.59,12.44 U6000.12